# Altium PCB HOUZZkitF1_Tester.PcbDoc (part 2 of 2)
Units mil, origin at the board's own origin, x right, y up, seen from the top; angles counter-clockwise.
Board outline 7086.61 x 6023.62 mil, 2 copper layers (Top Layer, Bottom Layer), stack 62.192 mil thick; 161 components, 169 nets, 789 pads, 406 vias.
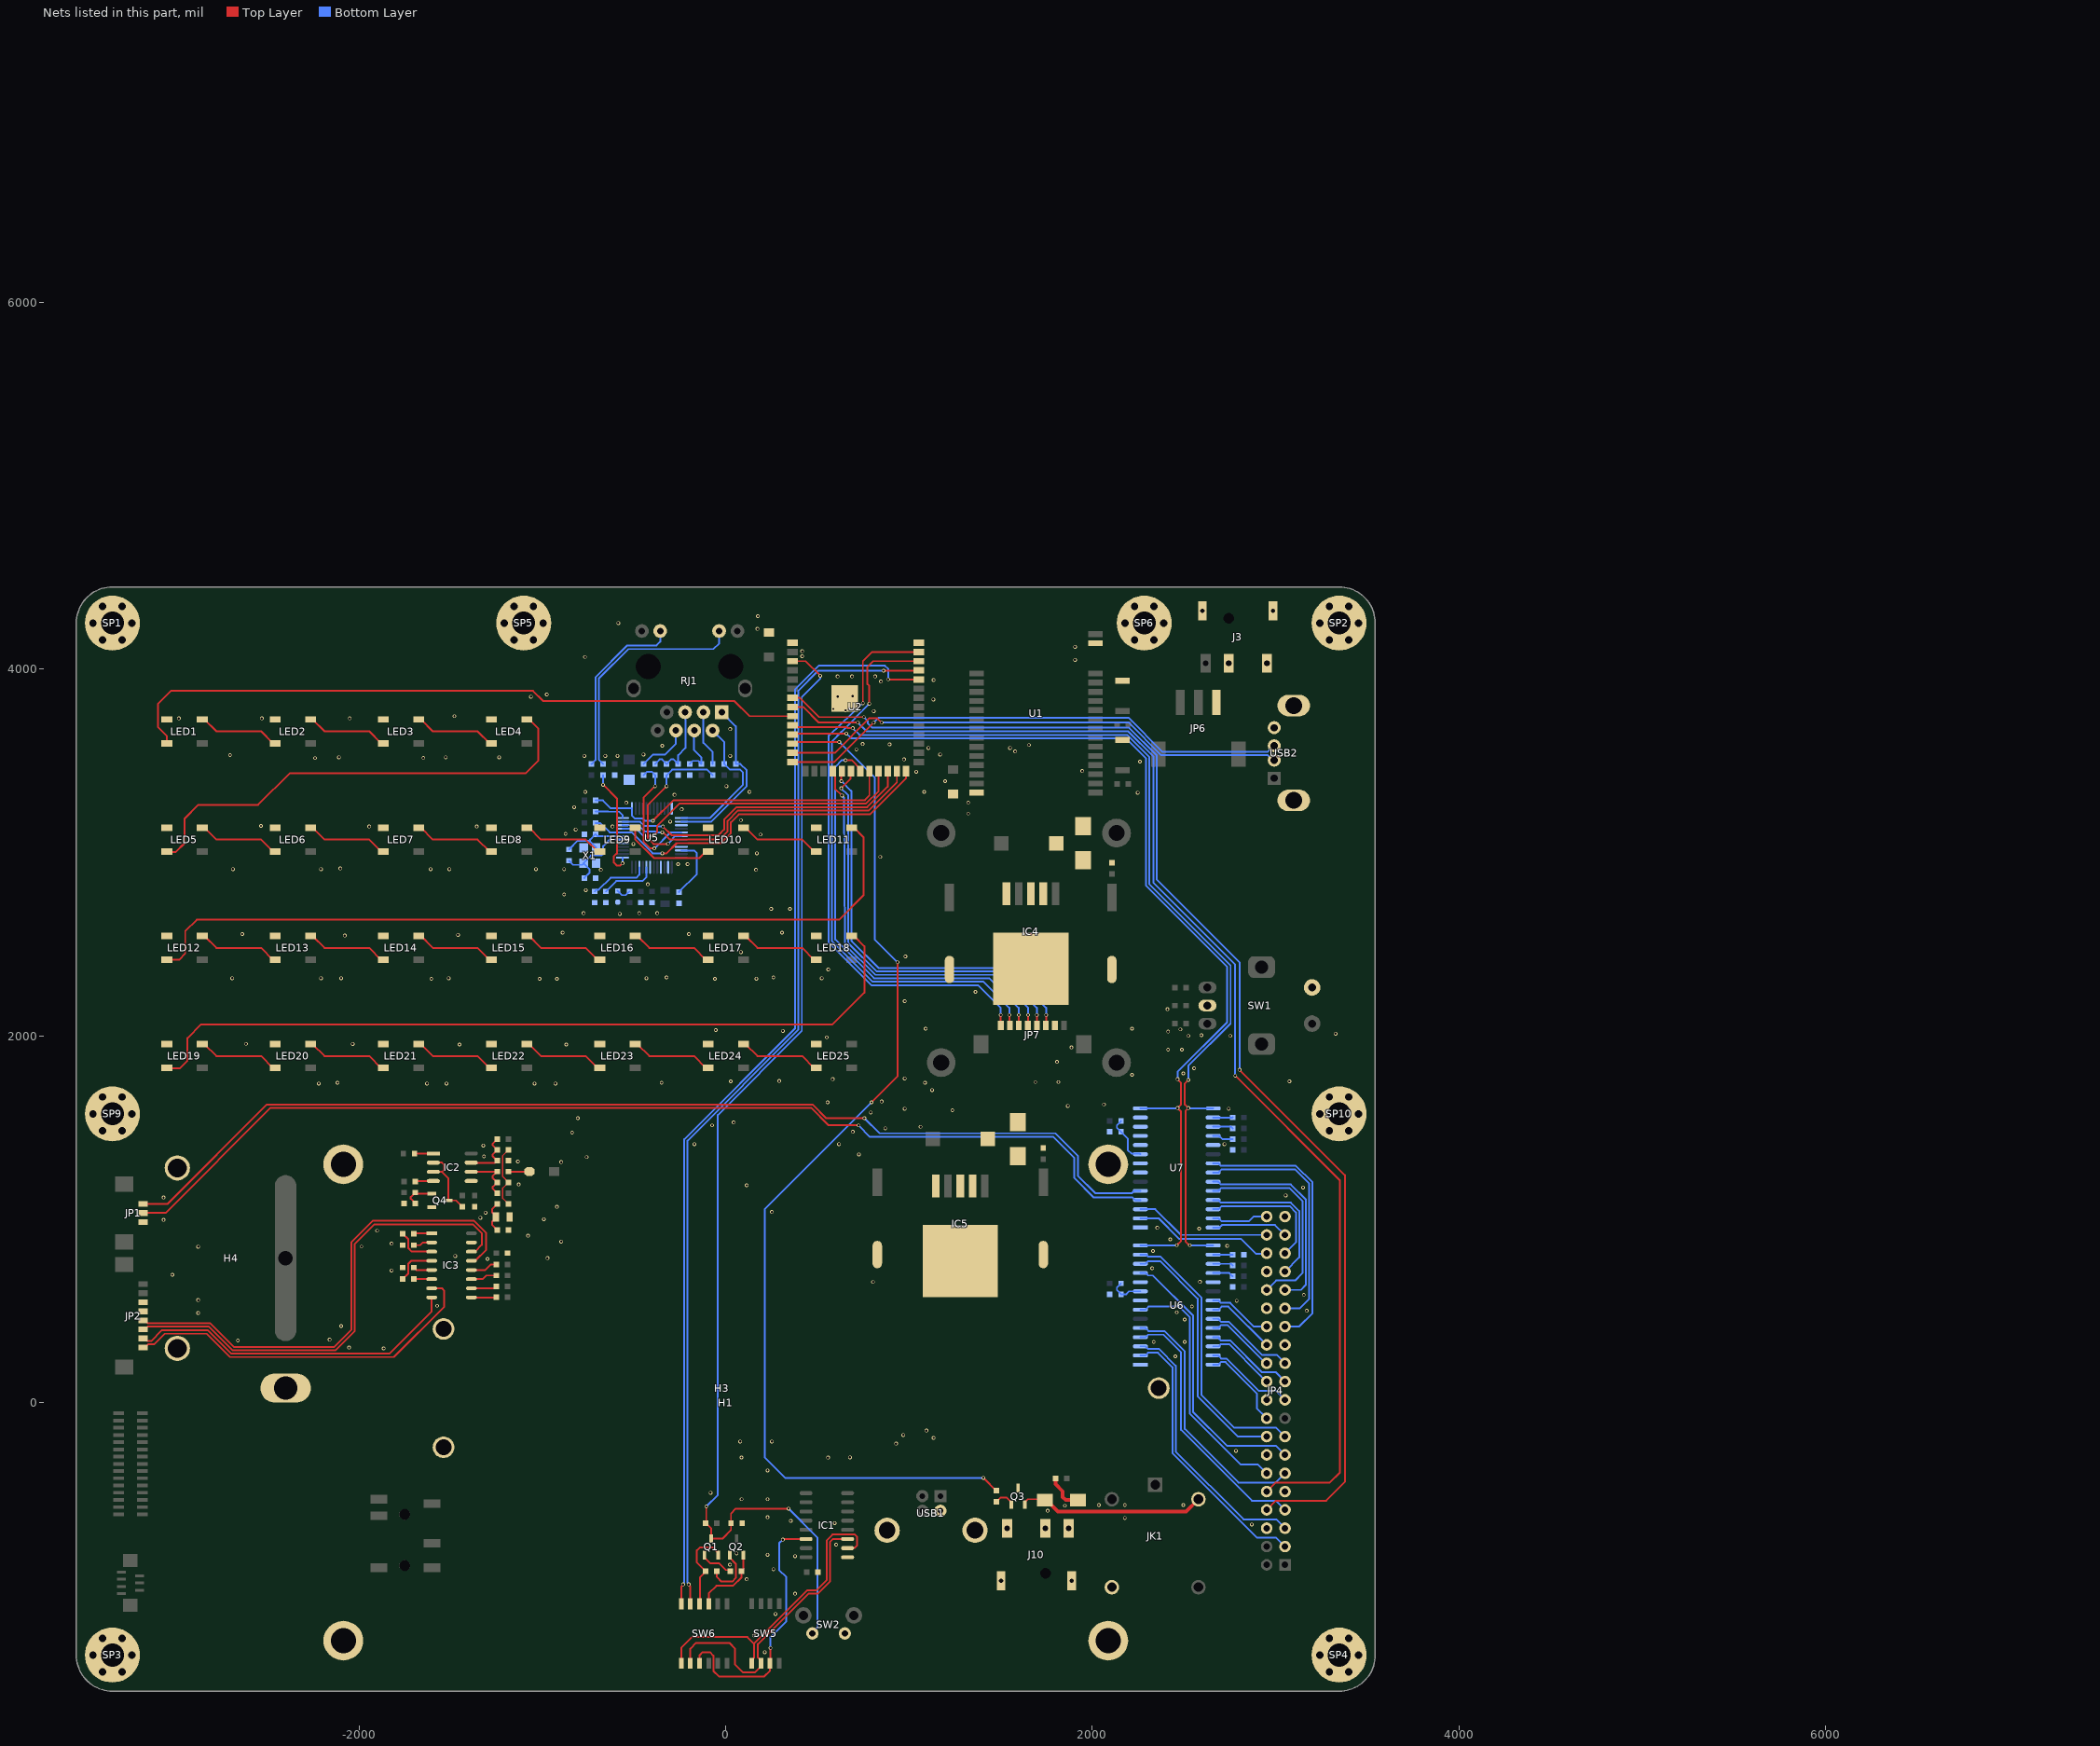
[diagram p2: the nets of this part, all layers, seen from the top]

## Via types
v1: diameter 20, hole 12, Top Layer to Bottom Layer, 406 vias

## Nets (pads, with @x,y where several pads share a name; then routed paths per layer and width w, separated by ;. In a path a pad name is that pad's centre, name@x,y a point inside that pad or via, vN(x,y) a via of type N, cw(c..) or ccw(c..) an arc to the next point about the centre after c; other vN are vias at no path point) (continued)
ESP_DTR: Q2.2 R6.1 SW6.9 | length 397.4
  Top Layer w10: SW6.9@-93.11,-1098.23 -93.11,-1041.93 -51.18,-1000 39.37,-1000 85.71,-953.66 R6.1@85.71,-921.26 96.46,-910.51 Q2.2@96.46,-832.4
ESP_EN: C5.2 Q1.3 R5.1 SW2.1 U2.3 | length 6463.1
  Top Layer w10: v1(-106.3,-566.93) -106.3,-654.45 R5.1@-109.33,-657.48 -78.74,-688.07 Q1.3@-78.74,-742.4 -17.99,-742.4 28.46,-695.95 C5.2@28.46,-657.48 28.46,-605.39 55.12,-578.74 v1(342.52,-578.74) ; U2.3@364.17,4044.09 436.22,4044.09 v1(515.75,3964.57)
  Bottom Layer w10: v1(-106.3,-566.93) -43.31,-503.94 -43.31,1568.49 415.09,2026.89 415.09,3848.16 515.94,3949.02 515.94,3964.37 v1(515.75,3964.57) ; v1(342.52,-578.74) 500,-736.22 500,-1227.15 472.44,-1254.71 SW2.1@472.44,-1259.84
ESP_RTS: Q1.2 R7.1 SW6.10 | length 472.8
  Top Layer w10: SW6.10@-143.11,-1098.23 -141.73,-1096.85 -141.73,-953.66 R7.1@-109.33,-921.26 -157.48,-873.11 -157.48,-807.09 -141.73,-791.34 -68.62,-791.34 -41.34,-818.62 Q1.2@-41.34,-832.4
ESP_RX: SW6.12 U2.36 | length 6039.6
  Top Layer w10: SW6.12@-243.11,-1098.23 -243.11,-1005.28 -232.8,-994.97 v1(-232.8,-992.26) ; v1(885.83,3944.88) 1052.36,3944.88 U2.36@1053.15,3944.09
  Bottom Layer w10: v1(-232.8,-992.26) -232.8,-989.56 -226.66,-983.42 -226.66,1436.05 379.09,2041.8 379.09,3891.44 507.34,4019.68 868.62,4019.68 885.83,4002.48 v1(885.83,3944.88)
ESP_SCL: U2.11 U6.14 U7.14 | length 5375.7
  Top Layer w10: U2.11@364.17,3644.09 369.69,3649.61 v1(657.48,3649.61) ; v1(2460.63,858.27) 2484.25,881.89 2484.25,1586.61 v1(2464.57,1606.3) 2484.25,1625.98 2484.25,1744.09 v1(2464.57,1763.78)
  Bottom Layer w10: v1(657.48,3649.61) 683.35,3623.73 2182.06,3623.73 2293.02,3512.77 2293.02,2819.32 2736.22,2376.12 2736.22,2074.8 2464.57,1803.15 v1(2464.57,1763.78) ; U6.14@2261.81,856.5 2262.7,857.38 2459.74,857.38 v1(2460.63,858.27) ; U7.14@2261.81,1604.53 2262.7,1605.41 2463.68,1605.41 v1(2464.57,1606.3)
ESP_SDA: U2.10 U6.15 U7.15 | length 5260.1
  Top Layer w10: U2.10@364.17,3694.09 373.23,3685.04 658.99,3685.04 665.37,3678.66 v1(692.65,3678.66) ; v1(2523.62,1759.84) 2503.94,1740.16 2503.94,1625.98 v1(2523.62,1606.3) 2507.87,1590.55 2507.87,877.95 2527.56,858.27 v1(2531.5,858.27)
  Bottom Layer w10: v1(692.65,3678.66) 729.58,3641.73 2189.52,3641.73 2311.02,3520.22 2311.02,2826.77 2754.22,2383.57 2754.22,2067.35 2523.62,1836.75 v1(2523.62,1759.84) ; v1(2523.62,1606.3) 2524.51,1605.41 2658.56,1605.41 U7.15@2659.45,1604.53 ; v1(2531.5,858.27) 2532.38,857.38 2658.56,857.38 U6.15@2659.45,856.5
ESP_TX: SW6.11 U2.37 | length 5941.2
  Top Layer w10: v1(-202.28,-992.13) -202.28,-994.83 -193.11,-1004.01 SW6.11@-193.11,-1098.23 ; v1(860.83,3992.13) 1051.18,3992.13 U2.37@1053.15,3994.09
  Bottom Layer w10: v1(-202.28,-992.13) -202.28,-989.42 -208.66,-983.04 -208.66,1428.59 397.09,2034.34 397.09,3883.98 505.23,3992.13 v1(860.83,3992.13)
GND: C5.1 C6.1 C7.1 C8.1 C9.1 C10.1 C11.2 C12.2 C15.1 C16.1 C17.1 C18.1 C20.1 C21.1 C22.2 C24.2 C26.1 C27.1 C28.1 C29.1 CF1.1 CF2.1 D3.1 D4.1 E2.2 E3.2 E4.2 E5.2 E6.2 E7.2 H1.1 H1.2 H1.3 H1.4 H3.1 H3.2 H3.3 H3.4 H4.1 H4.2 IC1.1 IC2.5 IC3.15 IC4.3 IC4.5 IC5.3 IC5.5 J3.2 J3.3 J3.4 J3.5 J10.2 J10.3 J10.4 J10.5 JP1.3 JP2.3 JP2.4 JP4.6 JP4.9 JP4.14 JP4.20 JP4.25 JP4.30 JP4.34 JP4.39 JP6.3 JP7.7 LB2.1 LED1.3 LED2.3 LED3.3 LED4.3 LED5.3 LED6.3 LED7.3 LED8.3 LED9.3 LED10.3 LED11.3 LED12.3 LED13.3 LED14.3 LED15.3 LED16.3 LED17.3 LED18.3 LED19.3 LED20.3 LED21.3 LED22.3 LED23.3 LED24.3 LED25.3 LED26.2 Q3.3 Q4.2 R18.1 R26.1 R38.1 R39.1 R45.2 SP1.1 SP2.1 SP3.1 SP4.1 SP5.1 SP6.1 SP9.1 SP10.1 SW1.2 SW1.C SW2.2 SW3.1 SW4.2 U1.14 U1.29 U2.1 U2.40 U2.41 U5.3 U5.9 U5.14 U5.16 U5.19 U5.29 U5.48 U6.1 U6.8 U6.10 U6.19 U7.1 U7.8 U7.10 U7.19 USB1.4 USB2.4 X1.2 X1.4
  other v1: 212.6,-1362.2 153.54,-1271.65 271.65,-1153.54 377.95,-1043.31 114.17,-964.57 259.84,-909.45 23.02,-884.64 377.95,-838.58 228.35,-830.71 59.06,-822.83 602.36,-775.59 2870.08,-665.35 594.49,-657.48 354.33,-645.67 2177.17,-629.92 228.35,-625.98 1755.91,-590.55 1850.39,-562.99 2035.43,-559.06 2177.17,-559.06 2496.06,-559.06 86.61,-527.56 228.35,-527.56 -82.68,-492.13 228.35,-370.08 557.93,-300.75 85.98,-299.68 677.17,-299.21 2783.46,-263.78 929.13,-224.41 78.74,-212.6 251.97,-212.6 1133.86,-192.91 968.5,-177.17 1094.49,-153.54 2452.76,251.97 -1866.14,295.28 -2055.12,299.21 2334.65,330.71 2503.94,330.71 -2661.42,338.58 -2161.42,342.52 -2098.43,417.32 2503.94,452.76 -2877.95,488.19 2460.63,492.13 3169.29,500 2543.31,523.62 -1574.8,527.56 2787.4,555.12 -2877.95,559.06 3153.54,586.61 803.15,657.48 2586.57,658.26 -3019.68,696.85 -1822.83,720.47 2326.77,732.28 -1476.38,736.22 -1299.66,783.1 -972.44,787.4 -1476.38,799.21 2330.71,826.77 -2877.95,850.39 -1987.83,850.6 2736.22,854.33 -1822.83,866.14 -897.64,877.95 2425.2,889.76 -1078.74,909.45 -1901.57,937.01 2582.68,948.82 2354.33,952.76 -3066.93,996.06 -992.13,1000 -1338.58,1007.87 -1311.02,1035.43 251.97,1039.37 -921.26,1066.93 -3066.93,1118.11 3055.12,1129.92 3149.61,1173.23 114.17,1185.04 -1129.92,1188.98 -897.64,1311.02 -1133.86,1314.96 -759.39,1338.64 -1318.9,1342.52 726.31,1353.18 -1322.83,1401.57 -170.78,1409.25 618.11,1409.45 2720.47,1409.45 -838.58,1472.44 692.91,1476.38 870.08,1496.06 1062.99,1503.94 -74.8,1511.81 43.31,1527.56 -807.09,1551.18 791.34,1582.68 1236.22,1594.49 976.38,1602.36 2744.09,1602.36 1866.14,1618.11 2062.99,1625.98 555.12,1637.8 850.39,1641.73 1125.98,1704.72 -2220.47,1740.16 -1629.92,1740.16 -1523.62,1740.16 -1043.31,1740.16 -929.13,1740.16 -2118.11,1744.09 -350.39,1744.09 1086.61,1744.09 1688.98,1748.03 1814.96,1748.03 27.56,1751.97 3074.8,1751.97 291.39,1753.87 583.59,1764.02 976.38,1767.72 2216.54,1787.4 2496.06,1795.28 2555.12,1822.83 1807.09,1858.27 2413.39,1925.2 2488.19,1925.2 1885.83,1937.01 -1452.76,1952.76 -870.08,1952.76 -2035.59,1956.04 -2618.11,1956.69 551.18,1992.13 2523.62,2000 2751.97,2000 2594.49,2003.94 3326.77,2011.81 2413.39,2023.62 311.02,2027.56 -55.12,2031.5 2480.31,2035.43 1090.55,2039.37 2216.54,2039.37 2409.45,2145.67 976.38,2188.98 1362.2,2240.16 -1606.3,2311.02 -1015.75,2311.02 -921.26,2311.02 -59.06,2311.02 167.16,2311.88 -2692.91,2314.96 -2208.66,2314.96 -2098.43,2314.96 -1511.81,2314.96 -433.07,2314.96 523.62,2314.96 -322.83,2318.9 259.84,2318.9 559.06,2362.2 980.31,2433.07 82.68,2456.69 -2078.74,2547.24 -1460.63,2551.18 -2637.8,2555.12 -200.79,2555.12 -889.76,2562.99 307.09,2562.99 -578.74,2665.35 -775.59,2669.29 -472.44,2669.29 -374.02,2669.29 248.03,2692.91 350.39,2692.91 -881.89,2771.65 -763.78,2795.28 -425.2,2826.77 -681.1,2905.51 165.35,2905.51 -2688.98,2909.45 -2208.66,2909.45 -1610.24,2909.45 -1507.87,2909.45 -1035.43,2909.45 -881.89,2909.45 -2102.36,2913.39 -259.84,2937.01 -208.66,2937.01 842.52,2976.38 169.29,2996.06 -503.94,3047.24 188.98,3098.43 -874.02,3102.36 -818.9,3125.98 -1944.88,3141.73 -1358.27,3141.73 -618.11,3141.73 -2535.43,3145.67 -303.15,3169.29 82.68,3177.17 1322.83,3212.6 -240.16,3236.22 -826.77,3248.03 -543.31,3271.65 1322.83,3271.65 -279.53,3314.96 2248.03,3326.77 -766.61,3330.95 129.92,3330.71 1082.68,3330.71 3.94,3362.2 1196.85,3389.76 1039.37,3440.94 1944.88,3444.88 2259.84,3496.06 972.44,3507.87 -2240.7,3515.35 -1649.61,3515.75 -2110.24,3519.69 -1527.56,3519.69 -1236.22,3519.69 -771.65,3527.56 -657.48,3527.56 -590.55,3527.56 23.62,3527.56 -2704.72,3531.5 -448.82,3535.43 1169.29,3535.43 1578.74,3551.18 712.6,3562.99 1106.3,3570.87 1551.18,3570.87 -346.46,3582.68 1653.54,3586.61 893.7,3590.55 747.03,3592.38 23.62,3673.23 -2984.25,3732.28 -2531.5,3732.28 -2051.18,3732.28 -1480.32,3744.09 807.09,3771.65 653.54,3775.59 586.61,3783.46 1132.46,3835.42 -1062.99,3850.39 610.24,3850.39 692.91,3854.33 -976.38,3862.2 846.46,3933.07 1133.86,3940.94 610.24,3960.63 688.98,3960.63 814.96,3960.63 1905.51,4051.18 -767.72,4066.93 417.32,4070.87 417.32,4098.43 1905.51,4122.05 173.23,4220.47 -586.61,4251.97 175.17,4289.36
IO8: R27.2 U2.12 | length 5932.5
  Top Layer w10: U2.12@364.17,3594.09 372.44,3602.36 618,3602.36 v1(618.87,3603.24) ; v1(795.28,1637.8) 937.01,1779.53 v1(937.01,2401.57) ; v1(1405.05,-410.8) 1406.86,-410.8 1409.45,-413.39 1409.45,-414.29 R27.2@1476.38,-481.22
  Bottom Layer w10: v1(618.87,3603.24) 812.04,3410.08 812.04,2526.55 v1(937.01,2401.57) ; v1(795.28,1637.8) 212.6,1055.12 212.6,-299.21 324.19,-410.8 v1(1405.05,-410.8)
IO16: LED1.4 U2.9 | length 3784
  Top Layer w10: LED1.4@-3049.21,3596.46 -3049.21,3635.83 -3098.43,3685.04 -3098.43,3811.02 -3027.56,3881.89 -1051.18,3881.89 -996.06,3826.77 47.24,3826.77 129.92,3744.09 U2.9@364.17,3744.09
LCD_BL: JP7.1 U2.39 | length 3122.3
  Top Layer w10: v1(748.03,3814.96) 748.03,4043.31 799.21,4094.49 1052.75,4094.49 U2.39@1053.15,4094.09 ; v1(1500,2114.17) 1500,2057.94 JP7.1@1500.44,2057.5
  Bottom Layer w10: v1(748.03,3814.96) 563.84,3639.17 560.74,3636.07 560.74,3631.93 560.74,3489.6 560.38,3489.25 560.38,2512.05 796.84,2275.59 1377.95,2275.59 1500,2153.54 v1(1500,2114.17)
LCD_CLK: JP7.5 U2.20 | length 2247.1
  Top Layer w10: v1(629.73,3350.5) 681.8,3402.57 681.8,3443.02 U2.20@683.66,3444.88 ; v1(1696.85,2114.17) 1696.85,2057.94 JP7.5@1697.29,2057.5
  Bottom Layer w10: v1(629.73,3350.5) 664.11,3316.13 667.04,3313.2 667.04,2512.23 672.22,2502.03 823.29,2350.96 1499.43,2350.96 1696.85,2153.54 v1(1696.85,2114.17)
LCD_CS: JP7.4 U2.18 | length 2210.5
  Top Layer w10: U2.18@583.66,3444.88 583.66,3433.07 596.38,3420.35 596.38,3348.5 v1(633.86,3311.02) ; JP7.4@1648.08,2057.5 1649.61,2059.03 v1(1649.61,2114.17)
  Bottom Layer w10: v1(633.86,3311.02) 642.49,3302.53 642.54,3302.48 645.42,3299.6 649.04,2504.77 654.19,2494.61 654.89,2493.91 815.84,2332.96 1470.19,2332.96 1649.61,2153.54 v1(1649.61,2114.17)
LCD_DC: JP7.3 U2.21 | length 2376.4
  Top Layer w10: v1(653.54,3503.94) 687.41,3503.94 712.38,3478.97 712.38,3477.98 720.94,3469.41 720.94,3457.6 U2.21@733.66,3444.88 ; v1(1598.43,2114.17) 1598.43,2057.94 JP7.3@1598.87,2057.5
  Bottom Layer w10: 597.35,3304.49 597.35,3467.43 633.86,3503.94 v1(653.54,3503.94) ; 597.38,3304.46 597.38,2525.96 808.38,2314.96 1437.01,2314.96 1598.43,2153.54 v1(1598.43,2114.17)
LCD_DIN: JP7.6 U2.19 | length 2264.2
  Top Layer w10: v1(630.34,3389.68) 630.34,3432.85 625.98,3437.21 U2.19@633.66,3444.88 ; JP7.6@1746.5,2057.5 1748.03,2059.03 v1(1748.03,2114.17)
  Bottom Layer w10: v1(630.34,3389.68) 682.11,3337.9 685.04,3334.98 685.04,2519.69 687.97,2516.76 835.76,2368.96 1532.61,2368.96 1748.03,2153.54 v1(1748.03,2114.17)
LCD_RST: JP7.2 U2.38 | length 3092.5
  Top Layer w10: v1(783.36,3812.33) 783.46,3812.43 783.46,3908.24 773.03,3918.68 773.03,4013.19 803.94,4044.09 U2.38@1053.15,4044.09 ; v1(1547.24,2114.17) 1547.24,2059.91 JP7.2@1549.65,2057.5
  Bottom Layer w10: v1(783.36,3812.33) 632.74,3660.22 632.48,3659.96 579.35,3606.84 579.35,3196.14 578.38,3147.43 578.38,2519.5 802.61,2295.28 1405.51,2295.28 1547.24,2153.54 v1(1547.24,2114.17)
LINKLED: R22.2 U5.25 | length 608.6
  Top Layer w10: v1(-669.29,3370.08) -593.11,3293.9 -593.11,2997.44 -610.24,2980.31 -610.24,2944.88 -594.49,2929.13 -577.51,2929.13 -565.7,2940.94 v1(-562.99,2940.94) v1@-564.91,2939.03
  Bottom Layer w10: v1(-669.29,3370.08) R22.2@-669.29,3422.17 ; U5.25@-563.37,2972.1 -562.99,2971.72 v1(-562.99,2940.94)
MAX232_RX_M1: IC3.7 JP2.8 | length 2001.8
  Top Layer w10: JP2.8@-3178.72,300.74 -3168.87,300.74 -3152.18,317.44 -3119.57,317.44 -3061.83,375.17 -2831.87,375.17 -2704.72,248.03 -1811.02,248.03 -1535.43,523.62 -1535.43,610.24 -1548.23,623.03 IC3.7@-1604.41,623.03
MAX232_RX_M2: IC3.14 JP2.6 | length 2629.2
  Top Layer w10: JP2.6@-3178.72,399.17 -3168.87,399.17 -3152.74,415.3 -3070.78,415.3 -3070.66,415.42 -2821.21,415.42 -2689.81,284.03 -2129.35,284.03 -2025.31,388.08 -2025.31,864.46 -1917.32,972.44 -1379.79,972.44 -1330.71,923.36 -1330.71,860.35 -1368.03,823.03 IC3.14@-1387.72,823.03
MAX232_TX_M1: IC3.8 JP2.7 | length 1828
  Top Layer w10: JP2.7@-3178.72,349.95 -3168.87,349.95 -3154.44,335.52 -3135.27,335.52 -3077.62,393.17 -2824.41,393.17 -2697.27,266.03 -1836.33,266.03 -1604.41,497.95 IC3.8@-1604.41,573.03
MAX232_TX_M2: IC3.13 JP2.5 | length 2723.2
  Top Layer w10: JP2.5@-3178.72,448.38 -3168.87,448.38 -3153.92,433.42 -2813.75,433.42 -2682.36,302.03 -2136.81,302.03 -2043.31,395.53 -2043.31,874.02 -1925.2,992.13 -1374.02,992.13 -1307.09,925.2 -1307.09,833.98 -1368.03,773.03 IC3.13@-1387.72,773.03
NetC7_2: C7.2 R13.2 U5.30 X1.1 | length 489.9
  Bottom Layer w10: R13.2@-855.07,2955.77 -832.37,2933.07 -783.56,2933.07 X1.1@-774.39,2942.24 ; C7.2@-771.52,2861.09 -744.09,2888.51 -744.09,2909.97 -774.39,2940.27 X1.1@-774.39,2942.24 ; U5.30@-563.37,3070.53 -621.71,3070.53 -622.05,3070.87 -633.86,3070.87 -668.98,3035.74 -668.98,2992.43 -677.17,2984.25 -734.35,2984.25 -774.39,2944.21 X1.1@-774.39,2942.24
NetC8_2: C8.2 R13.1 U5.31 X1.3 | length 387.6
  Bottom Layer w10: R13.1@-855.07,3016.95 -806.89,3065.13 -740.16,3065.13 ; X1.3@-707.46,3024.91 -707.46,3026.88 -740.16,3059.58 -740.16,3065.13 ; U5.31@-563.37,3090.21 -646.91,3090.21 -647.2,3090.5 -700.34,3090.5 C8.2@-710.34,3100.5 -740.16,3070.68 -740.16,3065.13
NetC11_1: C11.1 U5.20 | length 306.8
  Bottom Layer w10: C11.1@-653.47,2788.03 -597.3,2844.2 -455.01,2844.2 -432.45,2866.76 U5.20@-432.45,2919.92
NetC12_1: C12.1 U5.22 | length 321.8
  Bottom Layer w10: C12.1@-714.72,2788.03 -705.34,2797.41 -692.88,2797.41 -628.09,2862.2 -488.19,2862.2 -471.82,2878.57 U5.22@-471.82,2919.92
NetC13_1: C13.1 RJ1.3 | length 303.5
  Bottom Layer w10: RJ1.3@-121.85,3765.75 -121.85,3598.23 -70.87,3547.24 C13.1@-70.87,3483.35
NetC14_1: C14.1 RJ1.6 | length 294.4
  Bottom Layer w10: C14.1@-448.82,3483.35 -396.73,3535.43 -330.71,3535.43 -271.85,3594.29 RJ1.6@-271.85,3665.75
NetC15_2: C15.2 R21.1 RJ1.4 | length 276.1
  Bottom Layer w10: C15.2@-196.85,3483.35 -180.2,3500 -150.51,3500 R21.1@-133.86,3483.35 -133.86,3519.69 -173.23,3559.06 -173.23,3664.38 RJ1.4@-171.85,3665.75
NetC16_2: C16.2 R23.1 R24.1 RJ1.5 | length 465.9
  Bottom Layer w10: R24.1@-385.83,3483.35 -361.3,3507.87 -347.36,3507.87 R23.1@-322.83,3483.35 -298.31,3507.87 -284.37,3507.87 C16.2@-259.84,3483.35 -259.84,3531.5 -220.47,3570.87 -220.47,3764.37 RJ1.5@-221.85,3765.75
NetC19_1: C19.1 C20.2 LB2.2 | length 187.1
  Top Layer w10: C20.2@-1247.12,940.95 -1275.59,969.41 -1275.59,985.96 -1269.73,991.81 -1266.43,991.81 -1253.93,1004.31 -1253.93,1019.31 -1266.43,1031.81 -1269.73,1031.81 -1275.59,1037.67 -1275.59,1054.21 C19.1@-1247.12,1082.68
NetC19_2: C19.2 R34.1 R35.1 | length 346
  Top Layer w8: C19.2@-1185.95,1082.68 -1216.54,1113.27 -1216.54,1170.2 R35.1@-1185.95,1200.79 -1216.54,1231.38 -1216.54,1347.36 R34.1@-1185.95,1377.95
NetC22_1: C22.1 IC3.2 | length 103.4
  Top Layer w10: C22.1@-1701.69,858.27 -1666.59,858.27 -1651.82,873.03 IC3.2@-1604.41,873.03
NetC23_1: C23.1 IC3.3 | length 227.5
  Top Layer w10: C23.1@-1762.87,921.26 -1732.28,890.67 -1732.28,842.52 -1712.6,822.83 -1604.61,822.83 IC3.3@-1604.41,823.03
NetC23_2: C23.2 IC3.1 | length 98
  Top Layer w10: C23.2@-1701.69,921.26 -1699.92,923.03 IC3.1@-1604.41,923.03
NetC24_1: C24.1 IC3.5 | length 102.7
  Top Layer w10: C24.1@-1701.69,736.22 -1688.5,723.03 IC3.5@-1604.41,723.03
NetC25_1: C25.1 IC3.6 | length 97.4
  Top Layer w10: C25.1@-1701.69,673.23 -1701.5,673.03 IC3.6@-1604.41,673.03
NetC25_2: C25.2 IC3.4 | length 230.3
  Top Layer w10: C25.2@-1762.87,673.23 -1732.28,703.82 -1732.28,755.91 -1715.16,773.03 IC3.4@-1604.41,773.03
NetC27_2: C27.2 R44.2 U6.9 | length 189.7
  Bottom Layer w10: R44.2@2156.57,649.61 2133.86,626.89 2133.86,613.27 C27.2@2156.57,590.55 2185.04,590.55 2200.98,606.5 U6.9@2261.81,606.5
NetC29_2: C29.2 R48.2 U7.9 | length 270
  Bottom Layer w10: R48.2@2156.58,1535.43 2133.86,1512.72 2133.86,1499.09 C29.2@2156.57,1476.38 2192.91,1440.04 2192.91,1377.95 2214.11,1356.76 2259.58,1356.76 U7.9@2261.81,1354.53
NetD1_1: D1.1 JK1.5 Q3.2 | length 1022.5
  Top Layer w10: Q3.2@1631.89,-556.81 1631.89,-543.03 1647.36,-527.56 1736.22,-527.56 D1.1@1740.16,-531.5
  Top Layer w20: D1.1@1740.16,-531.5 1749.02,-531.5 1812.01,-594.49 2511.81,-594.49 JK1.5@2578.74,-527.56
NetD1_2: D1.2 R28.1 | length 207.5
  Top Layer w20: R28.1@1800.12,-413.38 1800.13,-445.8 1838.58,-484.25 1838.58,-515.75 1854.33,-531.5 D1.2@1921.26,-531.5
NetD2_2: D2.2 R32.2 | length 91.7
  Top Layer w10: R32.2@-1185.95,1259.84 -1185.38,1259.27 D2.2@-1094.49,1259.27
NetD3_2: D3.2 IC5.2 L1.1
NetD4_2: D4.2 IC4.2 L3.1
NetIC2_1: IC2.1 R33.2 | length 102.4
  Top Layer w10: R33.2@-1697.76,1358.27 -1697.56,1358.47 IC2.1@-1595.47,1358.47
NetIC2_2: IC2.2 IC2.3 Q4.3 R30.1 | length 416.5